# Altium PCB RPlan_LB.PcbDoc (part 5 of 5) (continued)
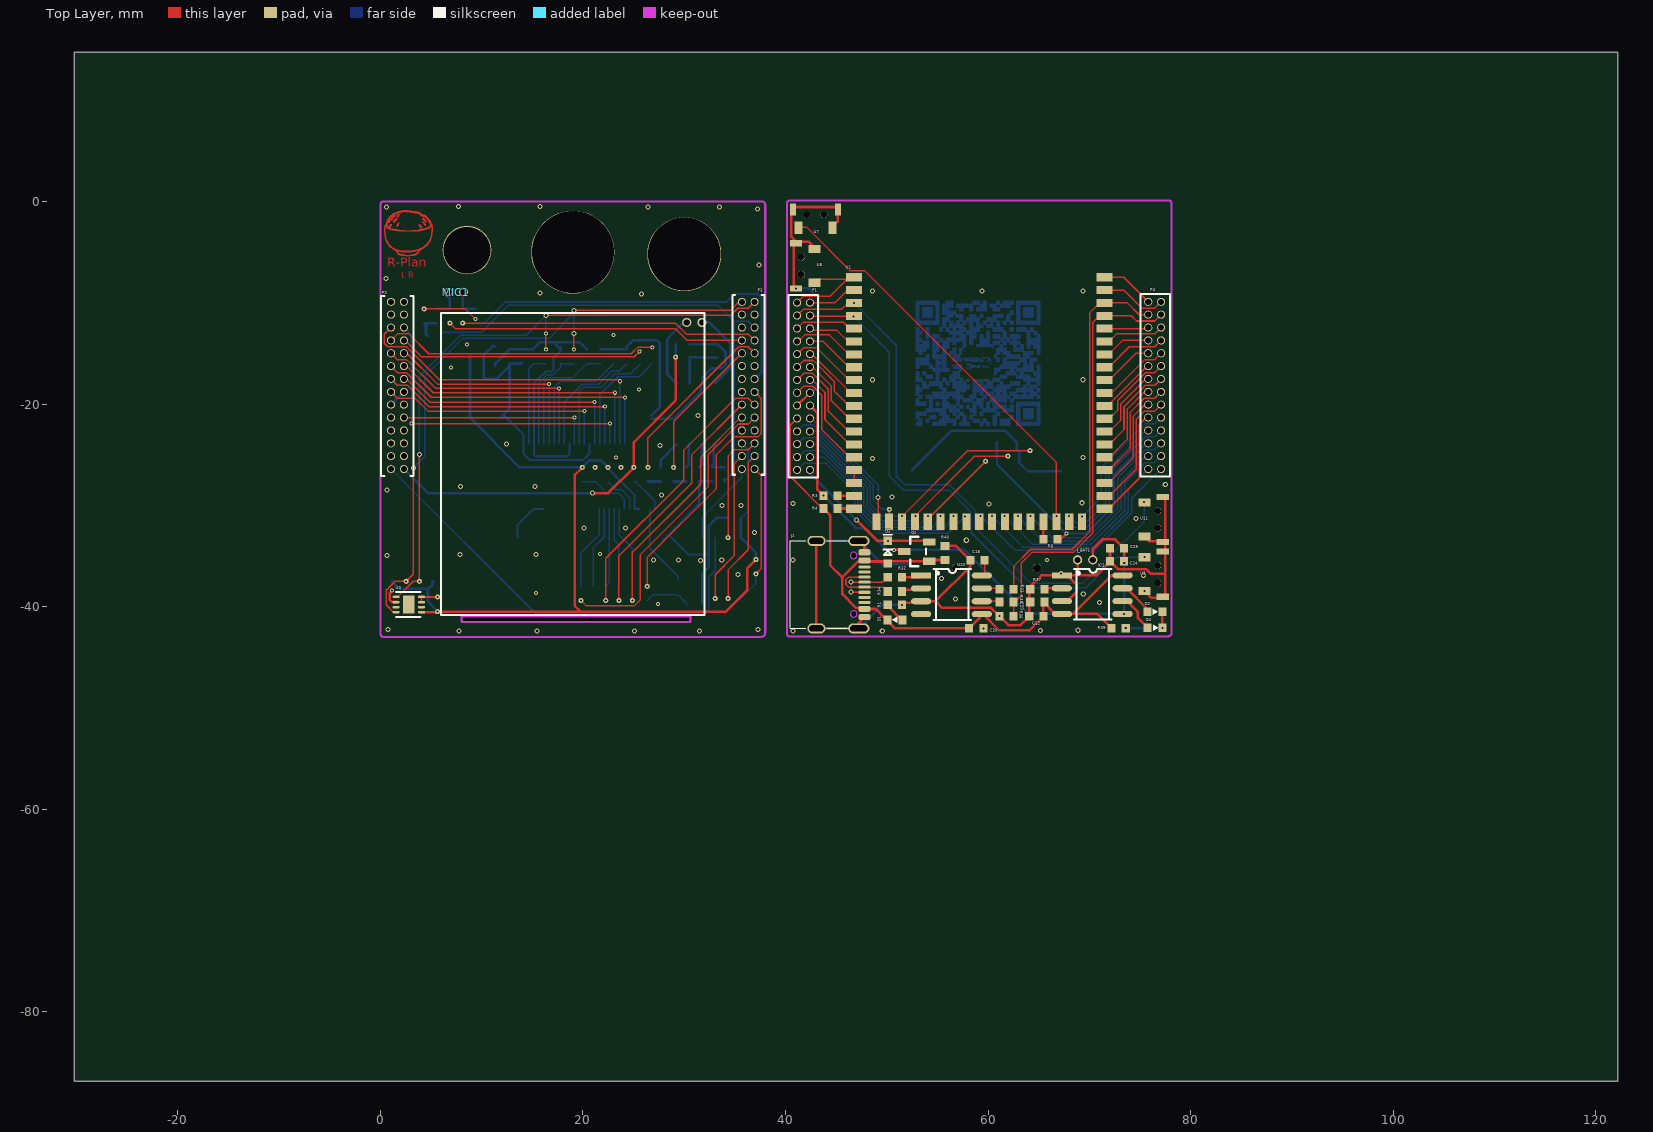
[diagram p0: Top Layer view]
## Nets (pads, with @x,y where several pads share a name; then routed paths per layer and width w, separated by ;. In a path a pad name is that pad's centre, name@x,y a point inside that pad or via, vN(x,y) a via of type N, cw(c..) or ccw(c..) an arc to the next point about the centre after c; other vN are vias at no path point) (continued)
63.177,-21.074 ; 62.796,-21.049 63.177,-21.049 ; 62.796,-21.024 63.177,-21.024 ; 62.796,-20.998 63.177,-20.998 ; 62.796,-20.973 63.177,-20.973 ; 62.796,-20.947 63.177,-20.947 ; 62.796,-20.922 63.177,-20.922 ; 62.796,-20.897 63.177,-20.897 ; 62.796,-20.871 63.177,-20.871 ; 62.796,-20.846 63.177,-20.846 ; 62.796,-20.82 63.177,-20.82 ; 62.796,-20.795 63.177,-20.795 ; 62.796,-20.77 63.177,-20.77 ; 62.796,-20.744 63.177,-20.744 ; 62.796,-20.719 63.177,-20.719 ; 62.796,-20.693 63.177,-20.693 ; 62.796,-20.668 63.177,-20.668 ; 62.796,-20.643 63.177,-20.643 ; 62.796,-20.617 63.177,-20.617 ; 62.796,-20.592 63.177,-20.592 ; 62.796,-20.566 63.177,-20.566 ; 62.796,-20.541 63.177,-20.541 ; 62.796,-20.516 63.177,-20.516 ; 62.796,-20.49 63.177,-20.49 ; 62.796,-20.465 63.177,-20.465 ; 62.796,-20.439 63.177,-20.439 ; 62.796,-20.414 63.177,-20.414 ; 62.796,-20.389 63.177,-20.389 ; 62.796,-20.363 63.177,-20.363 ; 62.796,-20.338 63.177,-20.338 ; 62.796,-20.312 63.177,-20.312 ; 62.796,-20.287 63.177,-20.287 ; 62.796,-20.262 63.177,-20.262 ; 62.796,-20.236 63.177,-20.236 ; 62.796,-20.211 63.177,-20.211 ; 62.796,-20.185 63.177,-20.185 ; 62.796,-20.16 63.177,-20.16 ; 62.796,-20.135 63.177,-20.135 ; 62.796,-20.109 65.158,-20.109 ; 62.796,-20.084 65.158,-20.084 ; 62.796,-20.058 65.158,-20.058 ; 62.796,-20.033 65.158,-20.033 ; 62.796,-20.008 65.158,-20.008 ; 62.796,-19.982 65.158,-19.982 ; 62.796,-19.957 65.158,-19.957 ; 62.796,-19.931 65.158,-19.931 ; 62.796,-19.906 65.158,-19.906 ; 62.796,-19.881 65.158,-19.881 ; 62.796,-19.855 65.158,-19.855 ; 62.796,-19.83 65.158,-19.83 ; 62.796,-19.804 65.158,-19.804 ; 62.796,-19.779 65.158,-19.779 ; 62.796,-18.738 64.498,-18.738 ; 62.796,-18.712 64.498,-18.712 ; 62.796,-18.687 64.498,-18.687 ; 62.796,-18.661 64.498,-18.661 ; 62.796,-18.636 64.498,-18.636 ; 62.796,-18.611 64.498,-18.611 ; 62.796,-18.585 64.498,-18.585 ; 62.796,-18.56 64.498,-18.56 ; 62.796,-18.534 64.498,-18.534 ; 62.796,-18.509 64.498,-18.509 ; 62.796,-18.484 64.498,-18.484 ; 62.796,-18.458 64.498,-18.458 ; 62.796,-17.442 65.158,-17.442 ; 62.796,-17.417 65.158,-17.417 ; 62.796,-17.391 64.168,-17.391 ; 62.796,-17.366 64.168,-17.366 ; 62.796,-17.341 64.168,-17.341 ; 62.796,-17.315 64.168,-17.315 ; 62.796,-17.29 64.168,-17.29 ; 62.796,-17.264 64.168,-17.264 ; 62.796,-17.239 64.168,-17.239 ; 62.796,-17.214 64.168,-17.214 ; 62.796,-17.188 64.168,-17.188 ; 62.796,-17.163 64.168,-17.163 ; 62.796,-17.137 64.168,-17.137 ; 62.796,-17.112 64.168,-17.112 ; 62.796,-16.756 64.498,-16.756 ; 62.796,-16.731 64.498,-16.731 ; 62.796,-16.706 64.498,-16.706 ; 62.796,-16.68 64.498,-16.68 ; 62.796,-16.655 64.498,-16.655 ; 62.796,-16.629 64.498,-16.629 ; 62.796,-16.604 64.498,-16.604 ; 62.796,-16.579 64.498,-16.579 ; 62.796,-16.553 64.498,-16.553 ; 62.796,-16.528 64.498,-16.528 ; 62.796,-16.502 64.498,-16.502 ; 62.796,-16.477 64.498,-16.477 ; 62.796,-12.794 64.803,-12.794 ; 62.796,-12.769 64.803,-12.769 ; 62.796,-12.743 63.812,-12.743 ; 62.796,-12.718 63.812,-12.718 ; 62.796,-12.692 63.812,-12.692 ; 62.796,-12.667 63.812,-12.667 ; 62.796,-12.642 63.812,-12.642 ; 62.796,-12.616 63.812,-12.616 ; 62.796,-12.591 63.812,-12.591 ; 62.796,-12.565 63.812,-12.565 ; 62.796,-12.54 63.812,-12.54 ; 62.796,-12.515 63.812,-12.515 ; 62.796,-12.489 63.812,-12.489 ; 62.796,-12.464 63.812,-12.464 ; 62.796,-12.108 65.158,-12.108 ; 62.796,-12.083 65.158,-12.083 ; 62.796,-12.057 65.158,-12.057 ; 62.796,-12.032 65.158,-12.032 ; 62.796,-12.007 65.158,-12.007 ; 62.796,-11.981 65.158,-11.981 ; 62.796,-11.956 65.158,-11.956 ; 62.796,-11.93 65.158,-11.93 ; 62.796,-11.905 65.158,-11.905 ; 62.796,-11.88 65.158,-11.88 ; 62.796,-11.854 65.158,-11.854 ; 62.796,-11.829 65.158,-11.829 ; 62.796,-11.803 65.158,-11.803 ; 62.796,-11.778 65.158,-11.778 ; 62.796,-11.753 63.177,-11.753 ; 62.796,-11.727 63.177,-11.727 ; 62.796,-11.702 63.177,-11.702 ; 62.796,-11.676 63.177,-11.676 ; 62.796,-11.651 63.177,-11.651 ; 62.796,-11.626 63.177,-11.626 ; 62.796,-11.6 63.177,-11.6 ; 62.796,-11.575 63.177,-11.575 ; 62.796,-11.549 63.177,-11.549 ; 62.796,-11.524 63.177,-11.524 ; 62.796,-11.499 63.177,-11.499 ; 62.796,-11.473 63.177,-11.473 ; 62.796,-11.448 63.177,-11.448 ; 62.796,-11.422 63.177,-11.422 ; 62.796,-11.397 63.177,-11.397 ; 62.796,-11.372 63.177,-11.372 ; 62.796,-11.346 63.177,-11.346 ; 62.796,-11.321 63.177,-11.321 ; 62.796,-11.295 63.177,-11.295 ; 62.796,-11.27 63.177,-11.27 ; 62.796,-11.245 63.177,-11.245 ; 62.796,-11.219 63.177,-11.219 ; 62.796,-11.194 63.177,-11.194 ; 62.796,-11.168 63.177,-11.168 ; 62.796,-11.143 63.177,-11.143 ; 62.796,-11.118 63.177,-11.118 ; 62.796,-11.092 63.177,-11.092 ; 62.796,-11.067 63.177,-11.067 ; 62.796,-11.041 63.177,-11.041 ; 62.796,-11.016 63.177,-11.016 ; 62.796,-10.991 63.177,-10.991 ; 62.796,-10.965 63.177,-10.965 ; 62.796,-10.94 63.177,-10.94 ; 62.796,-10.914 63.177,-10.914 ; 62.796,-10.889 63.177,-10.889 ; 62.796,-10.864 63.177,-10.864 ; 62.796,-10.838 63.177,-10.838 ; 62.796,-10.813 63.177,-10.813 ; 62.796,-10.787 63.177,-10.787 ; 62.796,-10.762 63.177,-10.762 ; 62.796,-10.737 63.177,-10.737 ; 62.796,-10.711 63.177,-10.711 ; 62.796,-10.686 63.177,-10.686 ; 62.796,-10.66 63.177,-10.66 ; 62.796,-10.635 63.177,-10.635 ; 62.796,-10.61 63.177,-10.61 ; 62.796,-10.584 63.177,-10.584 ; 62.796,-10.559 63.177,-10.559 ; 62.796,-10.533 63.177,-10.533 ; 62.796,-10.508 63.177,-10.508 ; 62.796,-10.483 63.177,-10.483 ; 62.796,-10.457 63.177,-10.457 ; 62.796,-10.432 63.177,-10.432 ; 62.796,-10.406 63.177,-10.406 ; 62.796,-10.381 63.177,-10.381 ; 62.796,-10.356 63.177,-10.356 ; 62.796,-10.33 63.177,-10.33 ; 62.796,-10.305 63.177,-10.305 ; 62.796,-10.279 63.177,-10.279 ; 62.796,-10.254 63.177,-10.254 ; 62.796,-10.229 63.177,-10.229 ; 62.796,-10.203 63.177,-10.203 ; 62.796,-10.178 63.177,-10.178 ; 62.796,-10.152 63.177,-10.152 ; 62.796,-10.127 65.158,-10.127 ; 62.796,-10.102 65.158,-10.102 ; 62.796,-10.076 65.158,-10.076 ; 62.796,-10.051 65.158,-10.051 ; 62.796,-10.025 65.158,-10.025 ; 62.796,-10 65.158,-10 ; 62.796,-9.975 65.158,-9.975 ; 62.796,-9.949 65.158,-9.949 ; 62.796,-9.924 65.158,-9.924 ; 62.796,-9.898 65.158,-9.898 ; 62.796,-9.873 65.158,-9.873 ; 62.796,-9.848 65.158,-9.848 ; 62.796,-9.822 65.158,-9.822 ; 62.796,-9.797 65.158,-9.797 ; 62.821,-19.754 65.158,-19.754 ; 62.821,-18.433 65.158,-18.433 ; 62.821,-18.407 65.158,-18.407 ; 62.821,-12.438 63.812,-12.438 ; 62.821,-12.134 65.158,-12.134 ; 62.974,-13.785 63.177,-13.785 ; 62.974,-13.759 63.177,-13.759 ; 63.101,-18.128 63.177,-18.128 ; 63.101,-18.103 63.177,-18.103 ; 63.126,-17.087 63.507,-17.087 ; 63.126,-17.061 63.507,-17.061 ; 63.126,-17.036 63.507,-17.036 ; 63.126,-17.01 63.507,-17.01 ; 63.126,-16.985 63.507,-16.985 ; 63.126,-16.96 63.507,-16.96 ; 63.126,-16.934 63.507,-16.934 ; 63.126,-16.909 63.507,-16.909 ; 63.126,-16.883 63.507,-16.883 ; 63.126,-16.858 63.507,-16.858 ; 63.126,-16.833 63.507,-16.833 ; 63.126,-16.807 63.507,-16.807 ; 63.126,-15.766 63.812,-15.766 ; 63.126,-15.74 63.812,-15.74 ; 63.126,-15.715 63.812,-15.715 ; 63.126,-15.69 63.812,-15.69 ; 63.126,-15.664 63.812,-15.664 ; 63.126,-15.639 63.812,-15.639 ; 63.126,-15.613 63.812,-15.613 ; 63.126,-15.588 63.812,-15.588 ; 63.126,-15.563 63.812,-15.563 ; 63.126,-15.537 63.812,-15.537 ; 63.126,-15.512 63.812,-15.512 ; 63.126,-15.486 63.812,-15.486 ; 63.126,-14.42 63.507,-14.42 ; 63.126,-14.394 63.507,-14.394 ; 63.126,-14.369 63.507,-14.369 ; 63.126,-14.343 63.507,-14.343 ; 63.126,-14.318 63.507,-14.318 ; 63.126,-14.293 63.507,-14.293 ; 63.126,-14.267 63.507,-14.267 ; 63.126,-14.242 63.507,-14.242 ; 63.126,-14.216 63.507,-14.216 ; 63.126,-14.191 63.507,-14.191 ; 63.126,-14.166 63.507,-14.166 ; 63.126,-14.14 63.507,-14.14 ; 63.482,-21.43 64.498,-21.43 ; 63.482,-21.405 64.498,-21.405 ; 63.482,-21.379 64.498,-21.379 ; 63.482,-21.354 64.498,-21.354 ; 63.482,-21.328 64.498,-21.328 ; 63.482,-21.303 64.498,-21.303 ; 63.482,-21.278 64.498,-21.278 ; 63.482,-21.252 64.498,-21.252 ; 63.482,-21.227 64.498,-21.227 ; 63.482,-21.201 64.498,-21.201 ; 63.482,-21.176 64.498,-21.176 ; 63.482,-21.151 64.498,-21.151 ; 63.482,-21.125 64.498,-21.125 ; 63.482,-21.1 64.498,-21.1 ; 63.482,-21.074 64.498,-21.074 ; 63.482,-21.049 64.498,-21.049 ; 63.482,-21.024 64.498,-21.024 ; 63.482,-20.998 64.498,-20.998 ; 63.482,-20.973 64.498,-20.973 ; 63.482,-20.947 64.498,-20.947 ; 63.482,-20.922 64.498,-20.922 ; 63.482,-20.897 64.498,-20.897 ; 63.482,-20.871 64.498,-20.871 ; 63.482,-20.846 64.498,-20.846 ; 63.482,-20.82 64.498,-20.82 ; 63.482,-20.795 64.498,-20.795 ; 63.482,-20.77 64.498,-20.77 ; 63.482,-20.744 64.498,-20.744 ; 63.482,-20.719 64.498,-20.719 ; 63.482,-20.693 64.498,-20.693 ; 63.482,-20.668 64.498,-20.668 ; 63.482,-20.643 64.498,-20.643 ; 63.482,-20.617 64.498,-20.617 ; 63.482,-20.592 64.498,-20.592 ; 63.482,-20.566 64.498,-20.566 ; 63.482,-20.541 64.498,-20.541 ; 63.482,-20.516 64.498,-20.516 ; 63.482,-20.49 64.498,-20.49 ; 63.482,-20.465 64.498,-20.465 ; 63.482,-20.439 64.498,-20.439 ; 63.482,-19.068 63.812,-19.068 ; 63.482,-19.042 63.812,-19.042 ; 63.482,-19.017 63.812,-19.017 ; 63.482,-18.992 63.812,-18.992 ; 63.482,-18.966 63.812,-18.966 ; 63.482,-18.941 63.812,-18.941 ; 63.482,-18.915 63.812,-18.915 ; 63.482,-18.89 63.812,-18.89 ; 63.482,-18.865 63.812,-18.865 ; 63.482,-18.839 63.812,-18.839 ; 63.482,-18.814 63.812,-18.814 ; 63.482,-18.788 63.812,-18.788 ; 63.482,-18.382 63.812,-18.382 ; 63.482,-18.357 63.812,-18.357 ; 63.482,-18.331 63.812,-18.331 ; 63.482,-18.306 63.812,-18.306 ; 63.482,-18.28 63.812,-18.28 ; 63.482,-18.255 63.812,-18.255 ; 63.482,-18.23 63.812,-18.23 ; 63.482,-18.204 63.812,-18.204 ; 63.482,-18.179 63.812,-18.179 ; 63.482,-18.153 63.812,-18.153 ; 63.482,-18.128 65.158,-18.128 ; 63.482,-18.103 65.158,-18.103 ; 63.482,-17.772 65.158,-17.772 ; 63.482,-17.747 65.158,-17.747 ; 63.482,-17.722 65.158,-17.722 ; 63.482,-17.696 65.158,-17.696 ; 63.482,-17.671 65.158,-17.671 ; 63.482,-17.645 65.158,-17.645 ; 63.482,-17.62 65.158,-17.62 ; 63.482,-17.595 65.158,-17.595 ; 63.482,-17.569 65.158,-17.569 ; 63.482,-17.544 65.158,-17.544 ; 63.482,-17.518 65.158,-17.518 ; 63.482,-17.493 65.158,-17.493 ; 63.482,-17.468 65.158,-17.468 ; 63.482,-16.401 64.498,-16.401 ; 63.482,-16.375 64.498,-16.375 ; 63.482,-16.35 64.498,-16.35 ; 63.482,-16.325 64.498,-16.325 ; 63.482,-16.299 64.498,-16.299 ; 63.482,-16.274 64.498,-16.274 ; 63.482,-16.248 64.498,-16.248 ; 63.482,-16.223 64.498,-16.223 ; 63.482,-16.198 64.498,-16.198 ; 63.482,-16.172 64.498,-16.172 ; 63.482,-16.147 64.498,-16.147 ; 63.482,-16.121 64.498,-16.121 ; 63.482,-16.096 63.812,-16.096 ; 63.482,-16.071 63.812,-16.071 ; 63.482,-16.045 63.812,-16.045 ; 63.482,-16.02 63.812,-16.02 ; 63.482,-15.994 63.812,-15.994 ; 63.482,-15.969 63.812,-15.969 ; 63.482,-15.944 63.812,-15.944 ; 63.482,-15.918 63.812,-15.918 ; 63.482,-15.893 63.812,-15.893 ; 63.482,-15.867 63.812,-15.867 ; 63.482,-15.842 63.812,-15.842 ; 63.482,-15.817 63.812,-15.817 ; 63.482,-15.791 63.812,-15.791 ; 63.482,-15.41 64.168,-15.41 ; 63.482,-15.385 64.168,-15.385 ; 63.482,-15.359 64.168,-15.359 ; 63.482,-15.334 64.168,-15.334 ; 63.482,-15.309 64.168,-15.309 ; 63.482,-15.283 64.168,-15.283 ; 63.482,-15.258 64.168,-15.258 ; 63.482,-15.232 64.168,-15.232 ; 63.482,-15.207 64.168,-15.207 ; 63.482,-15.182 64.168,-15.182 ; 63.482,-15.156 64.168,-15.156 ; 63.482,-15.131 64.168,-15.131 ; 63.482,-15.105 64.498,-15.105 ; 63.482,-15.08 64.498,-15.08 ; 63.482,-15.055 64.498,-15.055 ; 63.482,-15.029 64.498,-15.029 ; 63.482,-15.004 64.498,-15.004 ; 63.482,-14.978 64.498,-14.978 ; 63.482,-14.953 64.498,-14.953 ; 63.482,-14.928 64.498,-14.928 ; 63.482,-14.902 64.498,-14.902 ; 63.482,-14.877 64.498,-14.877 ; 63.482,-14.851 64.498,-14.851 ; 63.482,-14.826 64.498,-14.826 ; 63.482,-14.801 64.498,-14.801 ; 63.482,-11.448 64.498,-11.448 ; 63.482,-11.422 64.498,-11.422 ; 63.482,-11.397 64.498,-11.397 ; 63.482,-11.372 64.498,-11.372 ; 63.482,-11.346 64.498,-11.346 ; 63.482,-11.321 64.498,-11.321 ; 63.482,-11.295 64.498,-11.295 ; 63.482,-11.27 64.498,-11.27 ; 63.482,-11.245 64.498,-11.245 ; 63.482,-11.219 64.498,-11.219 ; 63.482,-11.194 64.498,-11.194 ; 63.482,-11.168 64.498,-11.168 ; 63.482,-11.143 64.498,-11.143 ; 63.482,-11.118 64.498,-11.118 ; 63.482,-11.092 64.498,-11.092 ; 63.482,-11.067 64.498,-11.067 ; 63.482,-11.041 64.498,-11.041 ; 63.482,-11.016 64.498,-11.016 ; 63.482,-10.991 64.498,-10.991 ; 63.482,-10.965 64.498,-10.965 ; 63.482,-10.94 64.498,-10.94 ; 63.482,-10.914 64.498,-10.914 ; 63.482,-10.889 64.498,-10.889 ; 63.482,-10.864 64.498,-10.864 ; 63.482,-10.838 64.498,-10.838 ; 63.482,-10.813 64.498,-10.813 ; 63.482,-10.787 64.498,-10.787 ; 63.482,-10.762 64.498,-10.762 ; 63.482,-10.737 64.498,-10.737 ; 63.482,-10.711 64.498,-10.711 ; 63.482,-10.686 64.498,-10.686 ; 63.482,-10.66 64.498,-10.66 ; 63.482,-10.635 64.498,-10.635 ; 63.482,-10.61 64.498,-10.61 ; 63.482,-10.584 64.498,-10.584 ; 63.482,-10.559 64.498,-10.559 ; 63.482,-10.533 64.498,-10.533 ; 63.482,-10.508 64.498,-10.508 ; 63.482,-10.483 64.498,-10.483 ; 63.482,-10.457 64.498,-10.457 ; 63.812,-18.077 64.168,-18.077 ; 63.812,-18.052 64.168,-18.052 ; 63.812,-18.026 64.168,-18.026 ; 63.812,-18.001 64.168,-18.001 ; 63.812,-17.976 64.168,-17.976 ; 63.812,-17.95 64.168,-17.95 ; 63.812,-17.925 64.168,-17.925 ; 63.812,-17.899 64.168,-17.899 ; 63.812,-17.874 64.168,-17.874 ; 63.812,-17.849 64.168,-17.849 ; 63.812,-17.823 64.168,-17.823 ; 63.812,-17.798 64.168,-17.798 ; 63.812,-14.47 64.168,-14.47 ; 63.812,-14.445 64.168,-14.445 ; 63.812,-14.42 64.168,-14.42 ; 63.812,-14.394 64.168,-14.394 ; 63.812,-14.369 64.168,-14.369 ; 63.812,-14.343 64.168,-14.343 ; 63.812,-14.318 64.168,-14.318 ; 63.812,-14.293 64.168,-14.293 ; 63.812,-14.267 64.168,-14.267 ; 63.812,-14.242 64.168,-14.242 ; 63.812,-14.216 64.168,-14.216 ; 63.812,-14.191 64.168,-14.191 ; 63.812,-14.166 64.168,-14.166 ; 63.812,-14.14 64.168,-14.14 ; 63.812,-14.115 65.158,-14.115 ; 63.812,-14.089 65.158,-14.089 ; 63.812,-14.064 65.158,-14.064 ; 63.812,-14.039 65.158,-14.039 ; 63.812,-14.013 65.158,-14.013 ; 63.812,-13.988 65.158,-13.988 ; 63.812,-13.962 65.158,-13.962 ; 63.812,-13.937 65.158,-13.937 ; 63.812,-13.912 65.158,-13.912 ; 63.812,-13.886 65.158,-13.886 ; 63.812,-13.861 65.158,-13.861 ; 63.812,-13.835 65.158,-13.835 ; 63.812,-13.81 65.158,-13.81 ; 63.812,-13.785 65.158,-13.785 ; 63.812,-13.759 65.158,-13.759 ; 63.812,-13.734 65.158,-13.734 ; 63.812,-13.708 65.158,-13.708 ; 63.812,-13.683 65.158,-13.683 ; 63.812,-13.658 65.158,-13.658 ; 63.812,-13.632 65.158,-13.632 ; 63.812,-13.607 65.158,-13.607 ; 63.812,-13.581 65.158,-13.581 ; 63.812,-13.556 65.158,-13.556 ; 63.812,-13.531 65.158,-13.531 ; 63.812,-13.505 65.158,-13.505 ; 63.812,-13.48 65.158,-13.48 ; 63.812,-13.454 65.158,-13.454 ; 63.812,-13.429 64.193,-13.429 ; 63.812,-13.404 64.168,-13.404 ; 63.812,-13.378 64.168,-13.378 ; 63.812,-13.353 64.168,-13.353 ; 63.812,-13.327 64.168,-13.327 ; 63.812,-13.302 64.168,-13.302 ; 63.812,-13.277 64.168,-13.277 ; 63.812,-13.251 64.168,-13.251 ; 63.812,-13.226 64.168,-13.226 ; 63.812,-13.2 64.168,-13.2 ; 63.812,-13.175 64.168,-13.175 ; 63.812,-13.15 64.168,-13.15 ; 63.812,-13.124 64.168,-13.124 ; 63.812,-13.099 64.168,-13.099 ; 63.812,-13.073 64.168,-13.073 ; 63.812,-13.048 64.168,-13.048 ; 63.812,-13.023 64.168,-13.023 ; 63.812,-12.997 64.168,-12.997 ; 63.812,-12.972 64.168,-12.972 ; 63.812,-12.946 64.168,-12.946 ; 63.812,-12.921 64.168,-12.921 ; 63.812,-12.896 64.168,-12.896 ; 63.812,-12.87 64.168,-12.87 ; 63.812,-12.845 64.168,-12.845 ; 63.812,-12.819 64.168,-12.819 ; 64.117,-19.068 64.853,-19.068 ; 64.117,-19.042 64.853,-19.042 ; 64.117,-19.017 64.853,-19.017 ; 64.117,-18.992 64.853,-18.992 ; 64.117,-18.966 64.853,-18.966 ; 64.117,-18.941 64.853,-18.941 ; 64.117,-18.915 64.853,-18.915 ; 64.117,-18.89 64.853,-18.89 ; 64.117,-18.865 64.853,-18.865 ; 64.117,-18.839 64.853,-18.839 ; 64.117,-18.814 64.853,-18.814 ; 64.117,-18.788 64.853,-18.788 ; 64.117,-18.382 64.853,-18.382 ; 64.117,-18.357 64.853,-18.357 ; 64.117,-18.331 64.853,-18.331 ; 64.117,-18.306 64.853,-18.306 ; 64.117,-18.28 64.853,-18.28 ; 64.117,-18.255 64.853,-18.255 ; 64.117,-18.23 64.853,-18.23 ; 64.117,-18.204 64.853,-18.204 ; 64.117,-18.179 64.853,-18.179 ; 64.117,-18.153 64.853,-18.153 ; 64.117,-16.096 64.498,-16.096 ; 64.117,-16.071 64.498,-16.071 ; 64.117,-16.045 64.498,-16.045 ; 64.117,-16.02 64.498,-16.02 ; 64.117,-15.994 64.498,-15.994 ; 64.117,-15.969 64.498,-15.969 ; 64.117,-15.944 64.498,-15.944 ; 64.117,-15.918 64.498,-15.918 ; 64.117,-15.893 64.498,-15.893 ; 64.117,-15.867 64.498,-15.867 ; 64.117,-15.842 64.498,-15.842 ; 64.117,-15.817 64.498,-15.817 ; 64.117,-15.791 64.498,-15.791 ; 64.117,-15.766 64.853,-15.766 ; 64.117,-15.74 64.853,-15.74 ; 64.117,-15.715 64.853,-15.715 ; 64.117,-15.69 64.853,-15.69 ; 64.117,-15.664 64.853,-15.664 ; 64.117,-15.639 64.853,-15.639 ; 64.117,-15.613 64.853,-15.613 ; 64.117,-15.588 64.853,-15.588 ; 64.117,-15.563 64.853,-15.563 ; 64.117,-15.537 64.853,-15.537 ; 64.117,-15.512 64.853,-15.512 ; 64.117,-15.486 64.853,-15.486 ; 64.117,-12.743 64.498,-12.743 ; 64.117,-12.718 64.498,-12.718 ; 64.117,-12.692 64.498,-12.692 ; 64.117,-12.667 64.498,-12.667 ; 64.117,-12.642 64.498,-12.642 ; 64.117,-12.616 64.498,-12.616 ; 64.117,-12.591 64.498,-12.591 ; 64.117,-12.565 64.498,-12.565 ; 64.117,-12.54 64.498,-12.54 ; 64.117,-12.515 64.498,-12.515 ; 64.117,-12.489 64.498,-12.489 ; 64.117,-12.464 64.498,-12.464 ; 64.168,-12.438 64.472,-12.438 ; 64.472,-17.087 65.158,-17.087 ; 64.472,-17.061 65.158,-17.061 ; 64.472,-17.036 65.158,-17.036 ; 64.472,-17.01 65.158,-17.01 ; 64.472,-16.985 65.158,-16.985 ; 64.472,-16.96 65.158,-16.96 ; 64.472,-16.934 65.158,-16.934 ; 64.472,-16.909 65.158,-16.909 ; 64.472,-16.883 65.158,-16.883 ; 64.472,-16.858 65.158,-16.858 ; 64.472,-16.833 65.158,-16.833 ; 64.472,-16.807 65.158,-16.807 ; 64.472,-14.47 65.158,-14.47 ; 64.472,-14.445 65.158,-14.445 ; 64.472,-14.42 65.158,-14.42 ; 64.472,-14.394 65.158,-14.394 ; 64.472,-14.369 65.158,-14.369 ; 64.472,-14.343 65.158,-14.343 ; 64.472,-14.318 65.158,-14.318 ; 64.472,-14.293 65.158,-14.293 ; 64.472,-14.267 65.158,-14.267 ; 64.472,-14.242 65.158,-14.242 ; 64.472,-14.216 65.158,-14.216 ; 64.472,-14.191 65.158,-14.191 ; 64.472,-14.166 65.158,-14.166 ; 64.472,-14.14 65.158,-14.14 ; 64.472,-13.124 65.158,-13.124 ; 64.472,-13.099 64.853,-13.099 ; 64.472,-13.073 64.853,-13.073 ; 64.472,-13.048 64.853,-13.048 ; 64.472,-13.023 64.853,-13.023 ; 64.472,-12.997 64.853,-12.997 ; 64.472,-12.972 64.853,-12.972 ; 64.472,-12.946 64.853,-12.946 ; 64.472,-12.921 64.853,-12.921 ; 64.472,-12.896 64.853,-12.896 ; 64.472,-12.87 64.853,-12.87 ; 64.472,-12.845 64.853,-12.845 ; 64.472,-12.819 64.853,-12.819 ; 64.777,-21.735 65.158,-21.735 ; 64.777,-17.137 65.158,-17.137 ; 64.777,-17.112 65.158,-17.112 ; 64.777,-13.429 65.158,-13.429 ; 64.777,-10.152 65.158,-10.152 ; 64.803,-21.709 65.158,-21.709 ; 64.803,-21.684 65.158,-21.684 ; 64.803,-21.659 65.158,-21.659 ; 64.803,-21.633 65.158,-21.633 ; 64.803,-21.608 65.158,-21.608 ; 64.803,-21.582 65.158,-21.582 ; 64.803,-21.557 65.158,-21.557 ; 64.803,-21.532 65.158,-21.532 ; 64.803,-21.506 65.158,-21.506 ; 64.803,-21.481 65.158,-21.481 ; 64.803,-21.455 65.158,-21.455 ; 64.803,-21.43 65.158,-21.43 ; 64.803,-21.405 65.158,-21.405 ; 64.803,-21.379 65.158,-21.379 ; 64.803,-21.354 65.158,-21.354 ; 64.803,-21.328 65.158,-21.328 ; 64.803,-21.303 65.158,-21.303 ; 64.803,-21.278 65.158,-21.278 ; 64.803,-21.252 65.158,-21.252 ; 64.803,-21.227 65.158,-21.227 ; 64.803,-21.201 65.158,-21.201 ; 64.803,-21.176 65.158,-21.176 ; 64.803,-21.151 65.158,-21.151 ; 64.803,-21.125 65.158,-21.125 ; 64.803,-21.1 65.158,-21.1 ; 64.803,-21.074 65.158,-21.074 ; 64.803,-21.049 65.158,-21.049 ; 64.803,-21.024 65.158,-21.024 ; 64.803,-20.998 65.158,-20.998 ; 64.803,-20.973 65.158,-20.973 ; 64.803,-20.947 65.158,-20.947 ; 64.803,-20.922 65.158,-20.922 ; 64.803,-20.897 65.158,-20.897 ; 64.803,-20.871 65.158,-20.871 ; 64.803,-20.846 65.158,-20.846 ; 64.803,-20.82 65.158,-20.82 ; 64.803,-20.795 65.158,-20.795 ; 64.803,-20.77 65.158,-20.77 ; 64.803,-20.744 65.158,-20.744 ; 64.803,-20.719 65.158,-20.719 ; 64.803,-20.693 65.158,-20.693 ; 64.803,-20.668 65.158,-20.668 ; 64.803,-20.643 65.158,-20.643 ; 64.803,-20.617 65.158,-20.617 ; 64.803,-20.592 65.158,-20.592 ; 64.803,-20.566 65.158,-20.566 ; 64.803,-20.541 65.158,-20.541 ; 64.803,-20.516 65.158,-20.516 ; 64.803,-20.49 65.158,-20.49 ; 64.803,-20.465 65.158,-20.465 ; 64.803,-20.439 65.158,-20.439 ; 64.803,-20.414 65.158,-20.414 ; 64.803,-20.389 65.158,-20.389 ; 64.803,-20.363 65.158,-20.363 ; 64.803,-20.338 65.158,-20.338 ; 64.803,-20.312 65.158,-20.312 ; 64.803,-20.287 65.158,-20.287 ; 64.803,-20.262 65.158,-20.262 ; 64.803,-20.236 65.158,-20.236 ; 64.803,-20.211 65.158,-20.211 ; 64.803,-20.185 65.158,-20.185 ; 64.803,-20.16 65.158,-20.16 ; 64.803,-20.135 65.158,-20.135 ; 64.803,-19.449 65.158,-19.449 ; 64.803,-19.423 65.158,-19.423 ; 64.803,-19.398 65.158,-19.398 ; 64.803,-19.373 65.158,-19.373 ; 64.803,-19.347 65.158,-19.347 ; 64.803,-19.322 65.158,-19.322 ; 64.803,-19.296 65.158,-19.296 ; 64.803,-19.271 65.158,-19.271 ; 64.803,-19.246 65.158,-19.246 ; 64.803,-19.22 65.158,-19.22 ; 64.803,-19.195 65.158,-19.195 ; 64.803,-19.169 65.158,-19.169 ; 64.803,-19.144 65.158,-19.144 ; 64.803,-18.738 65.158,-18.738 ; 64.803,-18.712 65.158,-18.712 ; 64.803,-18.687 65.158,-18.687 ; 64.803,-18.661 65.158,-18.661 ; 64.803,-18.636 65.158,-18.636 ; 64.803,-18.611 65.158,-18.611 ; 64.803,-18.585 65.158,-18.585 ; 64.803,-18.56 65.158,-18.56 ; 64.803,-18.534 65.158,-18.534 ; 64.803,-18.509 65.158,-18.509 ; 64.803,-18.484 65.158,-18.484 ; 64.803,-18.458 65.158,-18.458 ; 64.803,-18.077 65.158,-18.077 ; 64.803,-18.052 65.158,-18.052 ; 64.803,-18.026 65.158,-18.026 ; 64.803,-18.001 65.158,-18.001 ; 64.803,-17.976 65.158,-17.976 ; 64.803,-17.95 65.158,-17.95 ; 64.803,-17.925 65.158,-17.925 ; 64.803,-17.899 65.158,-17.899 ; 64.803,-17.874 65.158,-17.874 ; 64.803,-17.849 65.158,-17.849 ; 64.803,-17.823 65.158,-17.823 ; 64.803,-17.798 65.158,-17.798 ; 64.803,-17.391 65.158,-17.391 ; 64.803,-17.366 65.158,-17.366 ; 64.803,-17.341 65.158,-17.341 ; 64.803,-17.315 65.158,-17.315 ; 64.803,-17.29 65.158,-17.29 ; 64.803,-17.264 65.158,-17.264 ; 64.803,-17.239 65.158,-17.239 ; 64.803,-17.214 65.158,-17.214 ; 64.803,-17.188 65.158,-17.188 ; 64.803,-17.163 65.158,-17.163 ; 64.803,-16.756 65.158,-16.756 ; 64.803,-16.731 65.158,-16.731 ; 64.803,-16.706 65.158,-16.706 ; 64.803,-16.68 65.158,-16.68 ; 64.803,-16.655 65.158,-16.655 ; 64.803,-16.629 65.158,-16.629 ; 64.803,-16.604 65.158,-16.604 ; 64.803,-16.579 65.158,-16.579 ; 64.803,-16.553 65.158,-16.553 ; 64.803,-16.528 65.158,-16.528 ; 64.803,-16.502 65.158,-16.502 ; 64.803,-16.477 65.158,-16.477 ; 64.803,-16.452 65.158,-16.452 ; 64.803,-16.426 65.158,-16.426 ; 64.803,-16.401 65.158,-16.401 ; 64.803,-16.375 65.158,-16.375 ; 64.803,-16.35 65.158,-16.35 ; 64.803,-16.325 65.158,-16.325 ; 64.803,-16.299 65.158,-16.299 ; 64.803,-16.274 65.158,-16.274 ; 64.803,-16.248 65.158,-16.248 ; 64.803,-16.223 65.158,-16.223 ; 64.803,-16.198 65.158,-16.198 ; 64.803,-16.172 65.158,-16.172 ; 64.803,-16.147 65.158,-16.147 ; 64.803,-16.121 65.158,-16.121 ; 64.803,-15.105 65.158,-15.105 ; 64.803,-15.08 65.158,-15.08 ; 64.803,-15.055 65.158,-15.055 ; 64.803,-15.029 65.158,-15.029 ; 64.803,-15.004 65.158,-15.004 ; 64.803,-14.978 65.158,-14.978 ; 64.803,-14.953 65.158,-14.953 ; 64.803,-14.928 65.158,-14.928 ; 64.803,-14.902 65.158,-14.902 ; 64.803,-14.877 65.158,-14.877 ; 64.803,-14.851 65.158,-14.851 ; 64.803,-14.826 65.158,-14.826 ; 64.803,-14.801 65.158,-14.801 ; 64.803,-14.775 65.158,-14.775 ; 64.803,-14.75 65.158,-14.75 ; 64.803,-14.724 65.158,-14.724 ; 64.803,-14.699 65.158,-14.699 ; 64.803,-14.674 65.158,-14.674 ; 64.803,-14.648 65.158,-14.648 ; 64.803,-14.623 65.158,-14.623 ; 64.803,-14.597 65.158,-14.597 ; 64.803,-14.572 65.158,-14.572 ; 64.803,-14.547 65.158,-14.547 ; 64.803,-14.521 65.158,-14.521 ; 64.803,-14.496 65.158,-14.496 ; 64.803,-13.404 65.158,-13.404 ; 64.803,-13.378 65.158,-13.378 ; 64.803,-13.353 65.158,-13.353 ; 64.803,-13.327 65.158,-13.327 ; 64.803,-13.302 65.158,-13.302 ; 64.803,-13.277 65.158,-13.277 ; 64.803,-13.251 65.158,-13.251 ; 64.803,-13.226 65.158,-13.226 ; 64.803,-13.2 65.158,-13.2 ; 64.803,-13.175 65.158,-13.175 ; 64.803,-13.15 65.158,-13.15 ; 64.803,-11.753 65.158,-11.753 ; 64.803,-11.727 65.158,-11.727 ; 64.803,-11.702 65.158,-11.702 ; 64.803,-11.676 65.158,-11.676 ; 64.803,-11.651 65.158,-11.651 ; 64.803,-11.626 65.158,-11.626 ; 64.803,-11.6 65.158,-11.6 ; 64.803,-11.575 65.158,-11.575 ; 64.803,-11.549 65.158,-11.549 ; 64.803,-11.524 65.158,-11.524 ; 64.803,-11.499 65.158,-11.499 ; 64.803,-11.473 65.158,-11.473 ; 64.803,-11.448 65.158,-11.448 ; 64.803,-11.422 65.158,-11.422 ; 64.803,-11.397 65.158,-11.397 ; 64.803,-11.372 65.158,-11.372 ; 64.803,-11.346 65.158,-11.346 ; 64.803,-11.321 65.158,-11.321 ; 64.803,-11.295 65.158,-11.295 ; 64.803,-11.27 65.158,-11.27 ; 64.803,-11.245 65.158,-11.245 ; 64.803,-11.219 65.158,-11.219 ; 64.803,-11.194 65.158,-11.194 ; 64.803,-11.168 65.158,-11.168 ; 64.803,-11.143 65.158,-11.143 ; 64.803,-11.118 65.158,-11.118 ; 64.803,-11.092 65.158,-11.092 ; 64.803,-11.067 65.158,-11.067 ; 64.803,-11.041 65.158,-11.041 ; 64.803,-11.016 65.158,-11.016 ; 64.803,-10.991 65.158,-10.991 ; 64.803,-10.965 65.158,-10.965 ; 64.803,-10.94 65.158,-10.94 ; 64.803,-10.914 65.158,-10.914 ; 64.803,-10.889 65.158,-10.889 ; 64.803,-10.864 65.158,-10.864 ; 64.803,-10.838 65.158,-10.838 ; 64.803,-10.813 65.158,-10.813 ; 64.803,-10.787 65.158,-10.787 ; 64.803,-10.762 65.158,-10.762 ; 64.803,-10.737 65.158,-10.737 ; 64.803,-10.711 65.158,-10.711 ; 64.803,-10.686 65.158,-10.686 ; 64.803,-10.66 65.158,-10.66 ; 64.803,-10.635 65.158,-10.635 ; 64.803,-10.61 65.158,-10.61 ; 64.803,-10.584 65.158,-10.584 ; 64.803,-10.559 65.158,-10.559 ; 64.803,-10.533 65.158,-10.533 ; 64.803,-10.508 65.158,-10.508 ; 64.803,-10.483 65.158,-10.483 ; 64.803,-10.457 65.158,-10.457 ; 64.803,-10.432 65.158,-10.432 ; 64.803,-10.406 65.158,-10.406 ; 64.803,-10.381 65.158,-10.381 ; 64.803,-10.356 65.158,-10.356 ; 64.803,-10.33 65.158,-10.33 ; 64.803,-10.305 65.158,-10.305 ; 64.803,-10.279 65.158,-10.279 ; 64.803,-10.254 65.158,-10.254 ; 64.803,-10.229 65.158,-10.229 ; 64.803,-10.203 65.158,-10.203 ; 64.803,-10.178 65.158,-10.178

## Polygon pours and split planes (outlines as drawn)
GND on Bottom Layer "Bottom Layer-GND 1" (solid, pour order 30): 38,0
GND on Top Layer "Top Layer-GND" (solid, pour order 8): 43.5,3.5

## Keep-outs
Keep-Out Layer:
  lines w0.2: 37.649,-43 0.322,-43 cw(c0.322,-42.678) 0,-42.678 0,-0.322 cw(c0.322,-0.322) 0.322,0 37.678,0 cw(c37.678,-0.322) 38,-0.322 38,-42.619 cw(c37.649,-42.619) 37.649,-42.971 ; 40.132,-42.65 ccw(c40.455,-42.65) 40.455,-42.973 ; 40.132,-42.6 40.132,-0.223 ; 40.133,-0.223 cw(c40.456,-0.223) 40.456,0.1 77.841,0.1 ; 40.455,-42.959 77.773,-42.959 77.809,-42.923 ccw(c77.809,-42.6) 78.132,-42.6 78.132,-0.183 ccw(c77.841,-0.183) 77.841,0.108 ; 8,-41.5 30.6,-41.5 30.6,-41 8,-41 8,-41.5

## Other copper
Top Layer:
  text "R-Plan" at 0.664,-6.75 h1.55
  text "L B" at 2.05,-7.744 h1

## Silkscreen, mask and mechanical layers (free items; w line width, h text height)
Top Overlay:
  lines w0.2: 6,-40.85 32,-40.85 32,-11 6,-11 6,-40.85
Top Solder:
  drawing of 560 lines, arcs and shapes, not listed
  text "R-Plan" at 0.677,-6.75 h1.55
  text "L B" at 2.05,-7.744 h1
Bottom Solder:
  drawing of 4510 lines, arcs and shapes, not listed
Mechanical 1:
  lines w0.2: 8,-41.5 8,-41 30.6,-41 30.6,-41.5 8,-41.5

## Text inside footprints (layer, text, board x,y; h text height)
J_BAT1: Mechanical 1 "+" at 70.612,-34.249 h0.5 r180; Mechanical 1 "-" at 69.088,-34.249 h0.5 r180
J_SPK1: Mechanical 1 "-" at 29.984,-10.803 h0.5 r180; Mechanical 1 "+" at 31.508,-10.803 h0.5 r180
MIC1: Mechanical 1 "-" at 8.466,-7.815 h0.5 r180; Mechanical 1 "+" at 6.942,-7.815 h0.5 r180